# Altium PCB Scaffold.PcbDoc (part 1 of 3) (continued)
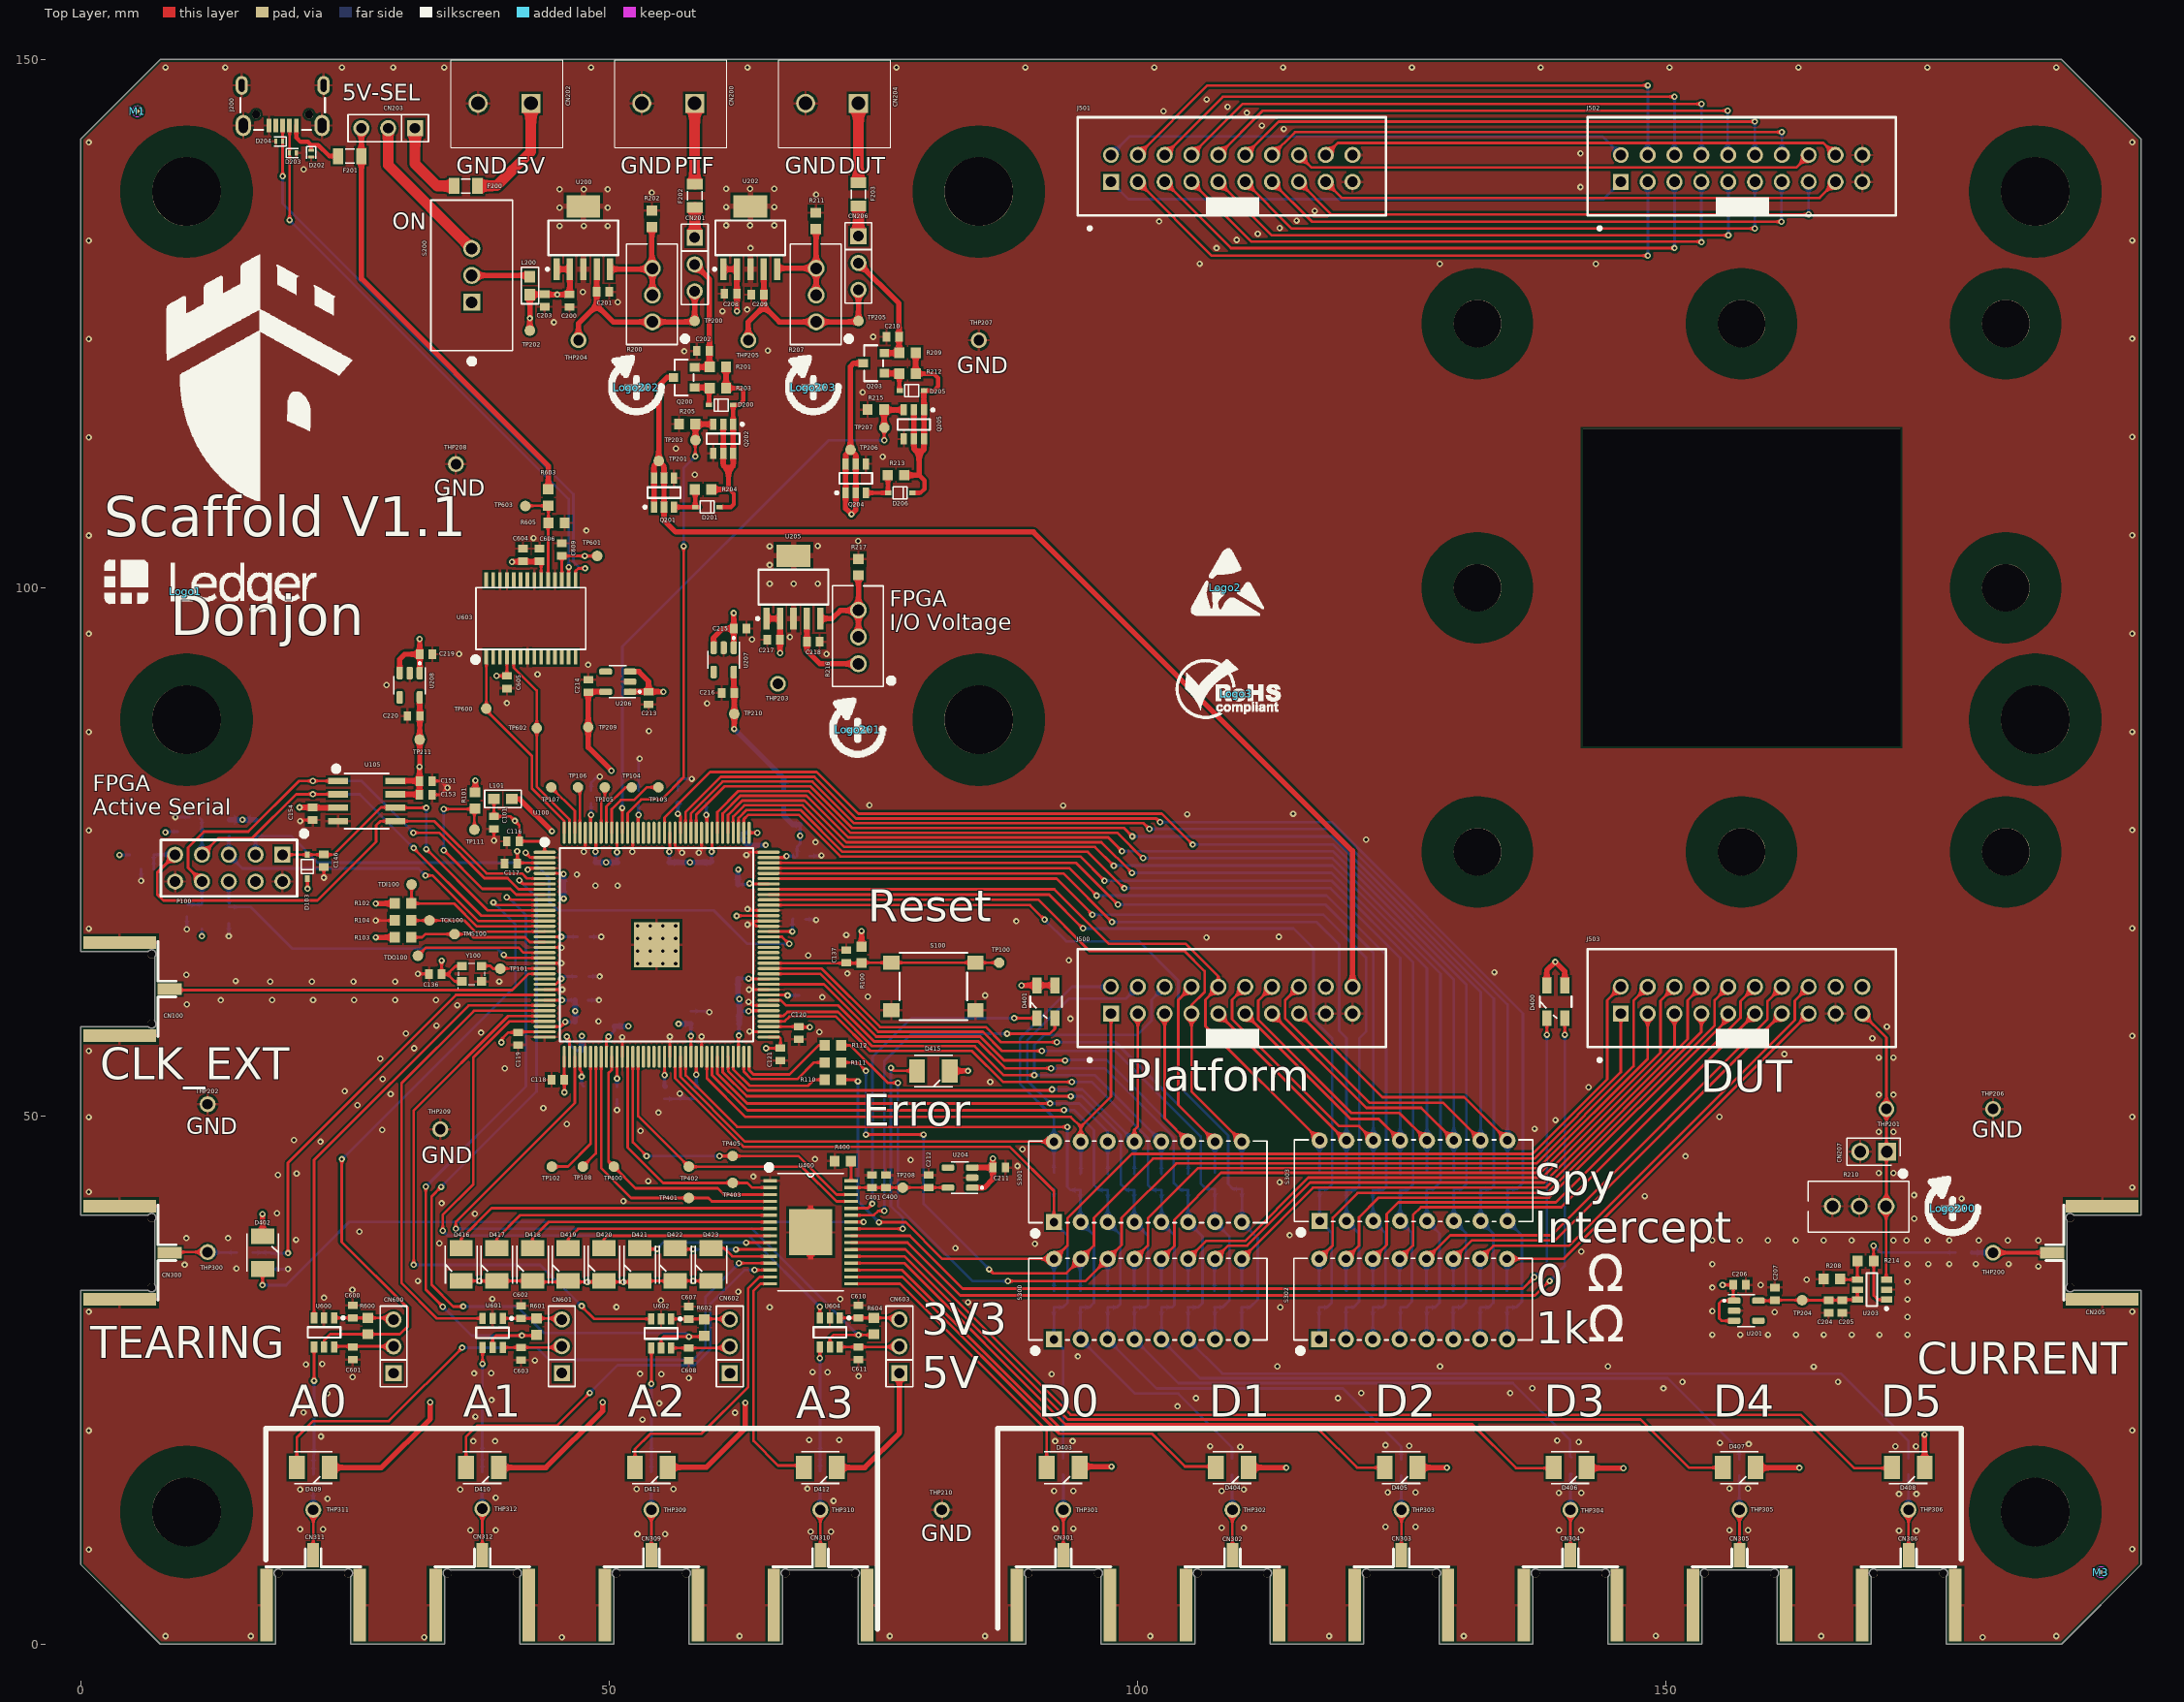
[diagram p0: Top Layer view]
## Board outline
25.56,0 34.44,0 34.44,6.394 cw(c34.69,6.706) 34.954,7.006 41.046,7.006 cw(c41.31,6.706) 41.56,6.394 41.56,0 50.44,0 50.44,6.394 cw(c50.69,6.706) 50.954,7.006 57.046,7.006 cw(c57.31,6.706) 57.56,6.394 57.56,0 66.44,0 66.44,6.394 cw(c66.69,6.706) 66.954,7.006 73.046,7.006 cw(c73.31,6.706) 73.56,6.394 73.56,0 89.44,0 89.44,6.394 cw(c89.69,6.706) 89.954,7.006 96.046,7.006 cw(c96.31,6.706) 96.56,6.394 96.56,0 105.44,0 105.44,6.394 cw(c105.69,6.706) 105.954,7.006 112.046,7.006 cw(c112.31,6.706) 112.56,6.394 112.56,0 121.44,0 121.44,6.394 cw(c121.69,6.706) 121.954,7.006 128.046,7.006 cw(c128.31,6.706) 128.56,6.394 128.56,0 137.44,0 137.44,6.394 cw(c137.69,6.706) 137.954,7.006 144.046,7.006 cw(c144.31,6.706) 144.56,6.394 144.56,0 153.44,0 153.44,6.394 cw(c153.69,6.706) 153.954,7.006 160.046,7.006 cw(c160.31,6.706) 160.56,6.394 160.56,0 169.44,0 169.44,6.394 cw(c169.69,6.706) 169.954,7.006 176.046,7.006 cw(c176.31,6.706) 176.56,6.394 176.56,0 187.5,0 195,7.5 195,33.49 188.606,33.49 cw(c188.294,33.74) 187.994,34.004 187.994,40.096 cw(c188.294,40.36) 188.606,40.61 195,40.61 195,142.5 187.5,150 7.5,150 0,142.5 0,65.57 6.394,65.57 cw(c6.706,65.32) 7.006,65.056 7.006,58.964 cw(c6.706,58.7) 6.394,58.45 0,58.45 0,40.61 6.394,40.61 cw(c6.706,40.36) 7.006,40.096 7.006,34.004 cw(c6.706,33.74) 6.394,33.49 0,33.49 0,7.5 7.5,0 18.44,0 18.44,6.394 cw(c18.69,6.706) 18.954,7.006 25.046,7.006 cw(c25.31,6.706) 25.56,6.394

## Design rules (kind name [scope] priority, off if disabled: settings)
BoardOutlineClearance [All] p1: gap=0.254 ignorepadtopadclearanceinfootprint=FALSE except(0: Arc-SplitContinuation Track-SplitContinuation SMDPad-SplitContinuation THPad-SplitContinuation Via-SplitContinuation Fill-SplitContinuation Poly-SplitContinuation Region-SplitContinuation Text-SplitContinuation)
Clearance Clearance_2 [InRegion(6080,4540,6175,4625) vs InRegion(6080,4540,6175,4625)] p1: gap=0.076 ignorepadtopadclearanceinfootprint=FALSE except(0: Arc-Hole Track-Hole SMDPad-Hole THPad-Hole Via-Hole Fill-Hole Poly-Hole Region-Hole Text-Hole)
Clearance Clearance_1 [HasFootprint('ST_LD39020') OR HasFootprint('ST_STLA02') OR HasFootprint('ST_STNS01') OR HasFootprint('ST_STMPS21x1') vs HasFootprint('ST_LD39020') OR HasFootprint('ST_STLA02') OR HasFootprint('ST_STNS01') OR HasFootprint('ST_STMPS21x1')] p2: gap=0.098 ignorepadtopadclearanceinfootprint=FALSE except(0: Arc-Hole Track-Hole SMDPad-Hole THPad-Hole Via-Hole Fill-Hole Poly-Hole Region-Hole Text-Hole)
Clearance Clearance_3 [All] p3: gap=0.2 ignorepadtopadclearanceinfootprint=FALSE except(0: Arc-Hole Track-Hole SMDPad-Hole THPad-Hole Via-Hole Fill-Hole Poly-Hole Region-Hole Text-Hole; 0.15: SMDPad-SMDPad)
HoleToHoleClearance [All] p1: gap=0.09 allowstackedmicrovias=TRUE
MinimumSolderMaskSliver [All] p1: minsoldermaskwidth=0.09
PolygonConnect PolygonConnect_SOT223 [All vs HasFootprint('SOT223-6')] p1: thpad.connectstyle=Relief thpad.reliefconductorwidth=0.254 thpad.reliefentries=4 thpad.polygonreliefangle="90 Angle" thpad.airgapwidth=0.254 smdpad.connectstyle=Relief smdpad.reliefconductorwidth=0.55 smdpad.reliefentries=4 smdpad.polygonreliefangle="90 Angle" smdpad.airgapwidth=0.254 via.connectstyle=Direct via.reliefconductorwidth=0.254 via.reliefentries=4 via.polygonreliefangle="90 Angle" via.airgapwidth=0.254
PolygonConnect [All] p2: thpad.connectstyle=Relief thpad.reliefconductorwidth=0.254 thpad.reliefentries=4 thpad.polygonreliefangle="90 Angle" thpad.airgapwidth=0.254 smdpad.connectstyle=Relief smdpad.reliefconductorwidth=0.254 smdpad.reliefentries=4 smdpad.polygonreliefangle="90 Angle" smdpad.airgapwidth=0.254 via.connectstyle=Direct via.reliefconductorwidth=0.254 via.reliefentries=4 via.polygonreliefangle="90 Angle" via.airgapwidth=0.254
RoomDefinition U_RS232_Level_Shifters [InComponentClass('U_RS232_Level_Shifters')] p1: confinementstyle=ConfineOut formatcopy=TRUE lockcomponents=FALSE outline 234.75,43.4 245.887,43.4 245.887,55.101 234.75,55.101
RoomDefinition Scaffold [InComponentClass('Scaffold')] p2: confinementstyle=ConfineOut formatcopy=TRUE lockcomponents=FALSE outline 221.137,1.426 245.313,1.426 245.313,24.827 221.137,24.827
RoomDefinition U_Power [InComponentClass('U_Power')] p3: confinementstyle=ConfineOut formatcopy=TRUE lockcomponents=FALSE outline -7.4,-20.7 -25.4,-20.7 -25.4,-25.5 -7.4,-25.5
RoomDefinition U_LEDs [InComponentClass('U_LEDs')] p4: confinementstyle=ConfineOut formatcopy=TRUE lockcomponents=FALSE outline -25.4,-25.4 -11.5,-25.4 -11.5,-21 -25.4,-21
RoomDefinition U_FPGA [InComponentClass('U_FPGA')] p5: confinementstyle=ConfineOut formatcopy=TRUE lockcomponents=FALSE outline -25.4,-25.4 -11.5,-25.4 -11.5,-20.9 -25.4,-20.9
RoomDefinition U_DUT_Platform [InComponentClass('U_DUT_Platform')] p6: confinementstyle=ConfineOut formatcopy=TRUE lockcomponents=FALSE outline -25.4,-25.4 -11,-25.4 -11,-20.9 -25.4,-20.9
RoomDefinition U_Connectors [InComponentClass('U_Connectors')] p7: confinementstyle=ConfineOut formatcopy=TRUE lockcomponents=FALSE outline -25.4,-25.4 -10.9,-25.4 -10.9,-20.9 -25.4,-20.9
RoutingCorners [All] p1: cornerstyle=45-Degree minsetback=0.2 maxsetback=2.54
RoutingVias [All] p1: holewidth=0.3 width=0.6 viastyle="Through Hole" minholewidth=0.098 minwidth=0.1 maxholewidth=0.711 maxwidth=1.27 viatemplateguid#1={01F4006E-4D0D-4076-AABB-60B1543CC36B} viatemplatename#1=v60h30
SilkToSilkClearance [All] p1: silktosilkclearance=0.09
SilkToSolderMaskClearance [IsPad] p1: minsilkscreentomaskgap=0.09 clearancetoexposedcopper=TRUE
SolderMaskExpansion [All] p1: expansion=0.076
Width Width_2 [InNet('3V3_LED_DRIVER') OR InNet('3V3_FPGA') OR InNet('3V3_FT232') OR InNet('3V3_OPA')  OR InNet('5V') OR InNet('1V2_FPGA') OR InNet('2V5_FPGA') OR InNet('3V3_FPGA') OR InNet('VBus') OR InNet('VCC_DUT') OR InNet('VCC_DUT_ON') OR InNet('VCC_IO_FPGA') OR InNet('VCC_PLATFORM') OR InNet('VCC_PLATFORM_ON') OR InNet('NetCN200_1') OR InNet('NetCN202_1') OR InNet('NetCN204_1')  OR InNet('NetCN203_2') OR InNet('NetL200_2')  OR InNet('NetR200_2')     OR InNet('NetC201_2')   OR InNet('NetC209_2') OR InNet('NetR207_2')      OR InNet('NetC210_2') OR InNet('NetC201_2') OR InNet('NetC100_2') OR InNet('NetC101_2') OR InNet('NetCN201_1') OR InNet('NetCN203_1') OR InNet('NetCN206_1')] p1: maxlimit=5 minlimit=0.15 preferedwidth=0.5
Width [All] p2: maxlimit=0.5 minlimit=0.25 preferedwidth=0.25 minimp=50.000000 maximp=50.000000 favimp=50.000000
25 further rules are at their usual default settings.

## Classes and differential pairs
component class U_RS232_Level_Shifters: C600 C601 C602 C603 C604 C605 C606 C607 C608 C609 C610 C611 CN600 CN601 CN602 CN603 R600 R601 R602 R603 R604 R605 TP600 TP601 TP602 TP603 U600 U601 U602 U603 U604
component class Scaffold: Logo1 Logo2 Logo3 M1 M2 M3 M4
component class U_Power: C200 C201 C202 C203 C204 C205 C206 C207 C208 C209 C210 C211 C212 C213 C214 C215 C216 C217 C218 C219 C220 CN200 CN201 CN202 CN203 CN204 CN205 CN206 CN207 D200 D201 D202 D203 D204 D205 D206 F200 F201 F202 F203 J200 L200 Logo200 Logo201 Logo202 Logo203 Q200 Q201 Q202 Q203 Q204 Q205 R200 R201 R202 R203 R204 R205 R206 R207 R208 R209 R210 R211 R212 R213 R214 R215 R216 R217 S200 THP200 THP201 THP202 THP203 THP204 THP205 THP206 THP207 THP208 THP209 THP210 TP200 TP201 TP202 TP203 TP204 TP205 TP206 TP207 TP208 TP209 TP210 TP211 U200 U201 U202 U203 U204 U205 U206 U207 U208
component class U_LEDs: C400 C401 D400 D401 D402 D403 D404 D405 D406 D407 D408 D409 D410 D411 D412 D415 D416 D417 D418 D419 D420 D421 D422 D423 R400 TP400 TP401 TP402 TP403 TP405 U400
component class U_FPGA: C100 C101 C102 C103 C104 C105 C106 C107 C108 C109 C110 C111 C112 C113 C114 C115 C116 C117 C118 C119 C120 C121 C122 C123 C124 C125 C126 C127 C128 C129 C130 C131 C132 C133 C134 C135 C136 C137 C143 C144 C145 C146 C151 C153 C154 CN100 D100 D101 D102 D103 L100 L101 P100 R100 R101 R102 R103 R104 R105 R107 R108 R110 R111 R112 S100 TCK100 TDI100 TDO100 TMS100 TP100 TP101 TP102 TP103 TP104 TP105 TP106 TP107 TP108 TP111 U100 U105 Y100
component class U_DUT_Platform: J500 J501 J502 J503
component class U_Connectors: CN300 CN301 CN302 CN303 CN304 CN305 CN306 CN309 CN310 CN311 CN312 R300 R301 R302 R303 R304 R305 R306 R307 R308 R309 R310 R311 R312 R313 R314 R315 R316 R317 R318 R319 R320 R321 R322 R323 R326 R327 R330 R331 R332 R333 R334 R335 R336 R337 R338 R339 R340 R341 R342 R343 R344 R345 R346 R347 R348 R349 R350 R351 S300 S301 S302 S303 THP300 THP301 THP302 THP303 THP304 THP305 THP306 THP309 THP310 THP311 THP312

## Components (designator, comment, footprint, x,y, rotation, side; value= is the part's Value field where it differs from the comment)
C100 "10uF" CAP0603 68.675,77.575 r180 bottom
C101 "10uF" CAP0603 39.1,77.75 r90 top
C102 "100nF" CAP0603 46.3,71.725 r180 bottom
C103 "100nF" CAP0603 47.4,60.95 r180 bottom
C104 "100nF" CAP0603 47.425,58.925 r180 bottom
C105 "100nF" CAP0603 48,56.2 r180 bottom
C106 "100nF" CAP0603 50.5,59.1 r270 bottom
C107 "100nF" CAP0603 57.75,59.3 r270 bottom
C108 "100nF" CAP0603 61.7,58.7 r0 bottom
C109 "100nF" CAP0603 61.7,59.9 r0 bottom
C110 "100nF" CAP0603 61.6,63 r0 bottom
C111 "100nF" CAP0603 61.6,71.9 r0 bottom
C112 "100nF" CAP0603 59.7,73.403 r90 bottom
C113 "100nF" CAP0603 55.7,73.4 r90 bottom
C114 "100nF" CAP0603 50.8,73.4 r90 bottom
C115 "100nF" CAP0603 48.7,73.4 r90 bottom
C116 "100nF" CAP0603 40.9,76 r0 top
C117 "100nF" CAP0603 40.7,73.9 r0 top
C118 "100nF" CAP0603 45.15,53.4 r0 top
C119 "100nF" CAP0603 41.4,57.3 r90 top
C120 "100nF" CAP0603 67.975,57.85 r90 top
C121 "100nF" CAP0603 66.225,55.825 r90 top
C122 "100nF" CAP0603 47.6,66.95 r180 bottom
C123 "100nF" CAP0603 47.5,63.2 r180 bottom
C124 "100nF" CAP0603 47.4,52.15 r90 bottom
C125 "100nF" CAP0603 50.75,52.15 r90 bottom
C126 "100nF" CAP0603 52.8,80.2 r270 bottom
C127 "100nF" CAP0603 48.3,80.2 r270 bottom
C128 "100nF" CAP0603 68.597,61.4 r180 bottom
C129 "100nF" CAP0603 68,68.6 r180 bottom
C130 "100nF" CAP0603 55.25,52.2 r90 bottom
C131 "100nF" CAP0603 58.25,52.2 r90 bottom
C132 "100nF" CAP0603 59.2,80.2 r270 bottom
C133 "100nF" CAP0603 56.5,80.2 r270 bottom
C134 "100nF" CAP0603 62.125,76.8 r0 bottom
C135 "100nF" CAP0603 68.4,74.6 r180 bottom
C136 "100nF" CAP0603 33.55,63.4 r180 top
C137 "10uF" CAP0603 72.45,65.1 r270 top
C143 "10pF" CAP0603 10.85,78.275 r0 bottom
C144 "10pF" CAP0603 10.05,69.4 r90 bottom
C145 "10pF" CAP0603 6.3,73.35 r0 bottom
C146 "10pF" CAP0603 23,74.15 r90 top
C151 "100nF" CAP0603 32.65,81.7 r180 top
C153 "100nF" CAP0603 32.65,80.4 r180 top
C154 "100nF" CAP0603 21.95,78.6 r90 top
C200 "10uF" CAP0603 46.25,127.175 r90 top
C201 "10uF" CAP0603 49.425,128 r180 top
C202 "10uF" CAP0603 58.9,122.4 r0 top
C203 "10uF" CAP0603 43.9,127.2 r90 top
C204 "10uF" CAP0603 165.435,31.95 r270 top
C205 "100nF" CAP0603 166.735,31.95 r270 top
C206 "1uF" CAP0603 157,34 r180 top
C207 "1uF" CAP0603 160.335,33.15 r270 top
C208 "10uF" CAP0603 61.5,127.825 r0 top
C209 "10uF" CAP0603 64.05,127.75 r0 top
C210 "10uF" CAP0603 76.847,123.75 r0 top
C211 "1uF" CAP0603 86.925,45.1 r180 top
C212 "1uF" CAP0603 80.25,43.8 r270 top
C213 "1uF" CAP0603 53.75,89.55 r90 top
C214 "1uF" CAP0603 48.025,90.7 r270 top
C215 "1uF" CAP0603 62.4,96.125 r180 top
C216 "1uF" CAP0603 61.25,90.05 r0 top
C217 "10uF" CAP0603 65.575,95.075 r0 top
C218 "10uF" CAP0603 69.325,94.875 r180 top
C219 "1uF" CAP0603 32.675,93.7 r180 top
C220 "1uF" CAP0603 31.5,87.85 r0 top
C400 "1uF" CAP0603 76.192,43.8 r90 top
C401 "100nF" CAP0603 74.892,43.8 r90 top
C600 "100nF" CAP0603 25.725,31.475 r270 top
C601 "100nF" CAP0603 25.725,27.525 r90 top
C602 "100nF" CAP0603 41.675,31.425 r270 top
C603 "100nF" CAP0603 41.675,27.475 r90 top
C604 "4.7uF" CAP0603 41.85,103.1 r90 top
C605 "100nF" CAP0603 40.325,91.05 r270 top
C606 "100nF" CAP0603 43.425,103.1 r90 top
C607 "100nF" CAP0603 57.55,31.35 r270 top
C608 "100nF" CAP0603 57.55,27.425 r90 top
C609 "100nF" CAP0603 45.525,103.6 r90 top
C610 "100nF" CAP0603 73.6,31.475 r270 top
C611 "100nF" CAP0603 73.6,27.525 r90 top
CN100 "SMA - Female" SAMTEC_SMA-J-P-X-ST-EM3 3.525,62.01 r270 top locked
CN200 "Male" WURTH_691213710002 58.1,145.85 r180 top locked
CN201 "Male" MOLEX_90120-0123 58.1,130.6 r270 top
CN202 "Male" WURTH_691213710002 42.6,145.85 r180 top locked
CN203 "Male" MOLEX_90120-0123 29.09,143.5 r180 top locked
CN204 "Male" WURTH_691213710002 73.6,145.85 r180 top locked
CN205 "SMA - Female" SAMTEC_SMA-J-P-X-ST-EM3 191.475,37.05 r90 top locked
CN206 "Male" MOLEX_90120-0123 73.6,130.74 r270 top
CN207 "Male" MOLEX_90120-0122 170.965,46.6 r180 top
CN300 "SMA - Female" SAMTEC_SMA-J-P-X-ST-EM3 3.525,37.05 r270 top locked
CN301 "SMA - Female" SAMTEC_SMA-J-P-X-ST-EM3 93,3.525 r0 top locked
CN302 "SMA - Female" SAMTEC_SMA-J-P-X-ST-EM3 109,3.525 r0 top locked
CN303 "SMA - Female" SAMTEC_SMA-J-P-X-ST-EM3 125,3.525 r0 top locked
CN304 "SMA - Female" SAMTEC_SMA-J-P-X-ST-EM3 141,3.525 r0 top locked
CN305 "SMA - Female" SAMTEC_SMA-J-P-X-ST-EM3 157,3.525 r0 top locked
CN306 "SMA - Female" SAMTEC_SMA-J-P-X-ST-EM3 173,3.525 r0 top locked
CN309 "SMA - Female" SAMTEC_SMA-J-P-X-ST-EM3 54,3.525 r0 top locked
CN310 "SMA - Female" SAMTEC_SMA-J-P-X-ST-EM3 70,3.525 r0 top locked
CN311 "SMA - Female" SAMTEC_SMA-J-P-X-ST-EM3 22,3.525 r0 top locked
CN312 "SMA - Female" SAMTEC_SMA-J-P-X-ST-EM3 38,3.525 r0 top locked
CN600 "Male" MOLEX_90120-0123 29.6,28.175 r90 top
CN601 "Male" MOLEX_90120-0123 45.525,28.185 r90 top
CN602 "Male" MOLEX_90120-0123 61.425,28.175 r90 top
CN603 "Male" MOLEX_90120-0123 77.475,28.175 r90 top
D100 "BAT60J" SOD323/A 10.3,76.9 r0 bottom
D101 "BAT60J" SOD323/A 11.45,68.85 r90 bottom
D102 "BAT60J" SOD323/A 5.75,74.7 r0 bottom
D103 "BAT60J" SOD323/A 21.45,73.6 r90 top
D200 "BAT60J" SOD323/A 60.6,117.3 r0 top
D201 "BAT60J" SOD323/A 59.3,107.625 r180 top
D202 "ESDAXLC6-1BT2" SOD882 21.8,141.1 r270 top
D203 "ESDAXLC6-1BT2" SOD882 20.075,141.15 r0 top
D204 "ESDAXLC6-1BT2" SOD882 18.775,142.25 r180 top
D205 "BAT60J" SOD323/A 78.65,118.65 r0 top
D206 "BAT60J" SOD323/A 77.55,108.975 r180 top
D400 "LED RG" PLCC-4_3528 139.614,60.8 r90 top
D401 "LED RG" PLCC-4_3528 91.354,60.8 r90 top
D402 "LED Yellow" KINGBRIGHT_AA3528 17.2,37.05 r90 top
D403 "LED Yellow" KINGBRIGHT_AA3528 92.975,16.7 r0 top
D404 "LED Yellow" KINGBRIGHT_AA3528 108.975,16.7 r0 top
D405 "LED Yellow" KINGBRIGHT_AA3528 124.975,16.7 r0 top
D406 "LED Yellow" KINGBRIGHT_AA3528 140.975,16.7 r0 top
D407 "LED Yellow" KINGBRIGHT_AA3528 156.975,16.7 r0 top
D408 "LED Yellow" KINGBRIGHT_AA3528 172.975,16.7 r0 top
D409 "LED Yellow" KINGBRIGHT_AA3528 22,16.7 r0 top
D410 "LED Yellow" KINGBRIGHT_AA3528 38,16.7 r0 top
D411 "LED Yellow" KINGBRIGHT_AA3528 54,16.7 r0 top
D412 "LED Yellow" KINGBRIGHT_AA3528 70,16.7 r0 top
D415 "LED Red" KINGBRIGHT_AA3528 80.7,54.25 r0 top locked
D416 "LED Yellow" KINGBRIGHT_AA3528 36,35.925 r270 top
D417 "LED Yellow" KINGBRIGHT_AA3528 39.379,35.925 r270 top
D418 "LED Yellow" KINGBRIGHT_AA3528 42.757,35.925 r270 top
D419 "LED Yellow" KINGBRIGHT_AA3528 46.136,35.925 r270 top
D420 "LED Yellow" KINGBRIGHT_AA3528 49.514,35.925 r270 top
D421 "LED Yellow" KINGBRIGHT_AA3528 52.893,35.925 r270 top
D422 "LED Yellow" KINGBRIGHT_AA3528 56.271,35.925 r270 top
D423 "LED Yellow" KINGBRIGHT_AA3528 59.65,35.925 r270 top
F200 "PTC - 1A - 0.5A - 6VDC" FUSE_0805 36.45,138.025 r180 top
F201 "PTC - 1A - 0.5A - 6VDC" FUSE_0805 25.45,140.85 r180 top
F202 "PTC - 1A - 0.5A - 6VDC" FUSE_0805 58.125,137.1 r270 top
F203 "PTC - 1A - 0.5A - 6VDC" FUSE_0805 73.6,137.225 r270 top
J200 "Wurth  629-105-150-521" 629105150521 19.1,146.65 r180 top
J500 "#NAME?" SAMTEC_HTSS-110-01-G-D 97.51,59.68 r0 top locked
J501 "#NAME?" SAMTEC_HTSS-110-01-G-D 97.51,138.42 r0 top locked
J502 "#NAME?" SAMTEC_HTSS-110-01-G-D 145.77,138.42 r0 top locked
J503 "#NAME?" SAMTEC_HTSS-110-01-G-D 145.77,59.68 r0 top locked
L100 "#NAME?" 0603 66.533,80.075 r90 bottom
L101 "#NAME?" 0603 39.95,80 r0 top
L200 "#NAME?" 0603 42.5,128.6 r90 top
Logo1 "Logo Ledger" "logo_Ledger_new - Horizontale" 9.9,99.625 r0 top
Logo2 "Logo ESD" "LOGO ESD" 108.325,100 r0 top locked
Logo3 "Logo ROHS" "Logo ROHS" 109.35,89.95 r0 top locked
Logo200 "Misc - Logo Increase clockwise" LOGO_CLOCKWISE_INCREASE 177.175,41.25 r0 top
Logo201 "Misc - Logo Increase clockwise" LOGO_CLOCKWISE_INCREASE 73.525,86.55 r0 top
Logo202 "Misc - Logo Increase clockwise" LOGO_CLOCKWISE_INCREASE 52.575,118.975 r0 top
Logo203 "Misc - Logo Increase clockwise" LOGO_CLOCKWISE_INCREASE 69.325,118.975 r0 top
M1 "Mire" MIRE 5.35,145.1 r180 top locked
M2 "Mire" MIRE 5.35,145.1 r0 bottom locked
M3 "Mire" MIRE 191.2,6.8 r180 top locked
M4 "Mire" MIRE 191.2,6.8 r0 bottom locked
P100 "Connector - Header - 10 Pins - Dual row - Male" SAMTEC_TSW-105-07-G-D 14,73.45 r180 top
Q200 "STR2P3LLH6 - SOT23" SOT23 57.1,119.9 r90 top
Q201 "STT6N3LLH6 - SOT23-6" SOT95P280X145-6N 55.2,109 r90 top
Q202 "STT6N3LLH6 - SOT23-6" SOT95P280X145-6N 60.8,114.1 r270 top
Q203 "STR2P3LLH6 - SOT23" SOT23 75.05,121.25 r90 top
Q204 "STT6N3LLH6 - SOT23-6" SOT95P280X145-6N 73.35,110.35 r90 top
Q205 "STT6N3LLH6 - SOT23-6" SOT95P280X145-6N 78.85,115.45 r270 top
R100 "47KOhm" RES0603 73.9,65.25 r90 top
R101 "10KOhm" RES0603 37.3,79.85 r90 top
R102 "10KOhm" RES0603 30.504,70.1 r180 top
R103 "10KOhm" RES0603 30.504,66.9 r180 top
R104 "10KOhm" RES0603 30.504,68.5 r180 top
R105 "10KOhm" RES0603 16.54,77.25 r90 bottom
R107 "10KOhm" RES0603 14.05,77.25 r90 bottom
R108 "10KOhm" RES0603 14,69 r90 bottom
R110 "10KOhm" RES0603 71.179,53.425 r0 top
R111 "10KOhm" RES0603 71.179,55.05 r0 top
R112 "10KOhm" RES0603 71.179,56.675 r180 top
R200 "50 kOhms" POT_3296W 54.11,127.7 r90 top
R201 "470Ohm" RES0603 60.3,120.9 r180 top
R202 "15KOhm" RES0603 54.05,134.925 r270 top
R203 "2Ohm" RES0603 60.3,118.9 r180 top
R204 "2Ohm" RES0603 58.9,109.3 r180 top
R205 "1K" RES0603 57.4,115.5 r0 top
R206 "50 Ohm" RES0603 178.2,37.05 r0 bottom
R207 "50 kOhms" POT_3296W 69.61,127.7 r90 top
R208 "100Ohm" RES0603 165.735,34.55 r0 top
R209 "470Ohm" RES0603 78.25,122.25 r180 top
R210 "100 Ohms" POT_3296W 168.335,41.45 r180 top
R211 "15KOhm" RES0603 69.575,134.725 r270 top
R212 "2Ohm" RES0603 78.25,120.25 r180 top
R213 "2Ohm" RES0603 77.15,110.65 r180 top
R214 "1K" RES0603 168.935,36.25 r0 top
R215 "1K" RES0603 75.25,116.85 r0 top
R216 "50 kOhms" POT_3296W 73.61,95.34 r90 top
R217 "28KOhm" RES0603 73.6,101.95 r270 top
R300 "0 Ohm" RES0603 15.5,37.05 r180 bottom
R301 "10KOhm" RES0603 18,36.25 r90 bottom
R302 "0 Ohm" RES0603 92.975,16.8 r270 bottom
R303 "0 Ohm" RES0603 108.975,16.8 r270 bottom
R304 "1K" RES0603 99.7,32.65 r90 bottom
R305 "10KOhm" RES0603 99.7,43.75 r90 bottom
R306 "1K" RES0603 97.2,32.65 r90 bottom
R307 "10KOhm" RES0603 97.2,43.75 r90 bottom
R308 "1K" RES0603 94.6,32.65 r90 bottom
R309 "10KOhm" RES0603 94.6,43.75 r90 bottom
R310 "0 Ohm" RES0603 124.975,16.7 r270 bottom
R311 "0 Ohm" RES0603 140.975,16.9 r270 bottom
R312 "1K" RES0603 92.1,32.65 r90 bottom
R313 "10KOhm" RES0603 92.1,43.85 r90 bottom
R314 "0 Ohm" RES0603 156.975,16.7 r270 bottom